# Altium PCB Thermostat_EEM.PCBDOC (part 7 of 10)
Units mm, origin at the board's own origin, x right, y up, seen from the top; angles counter-clockwise.
Board outline 162.48 x 100 mm, 4 copper layers (TOP, G1, L2, BOT), stack 1.55 mm thick; 903 components, 476 nets, 2667 pads, 1400 vias.
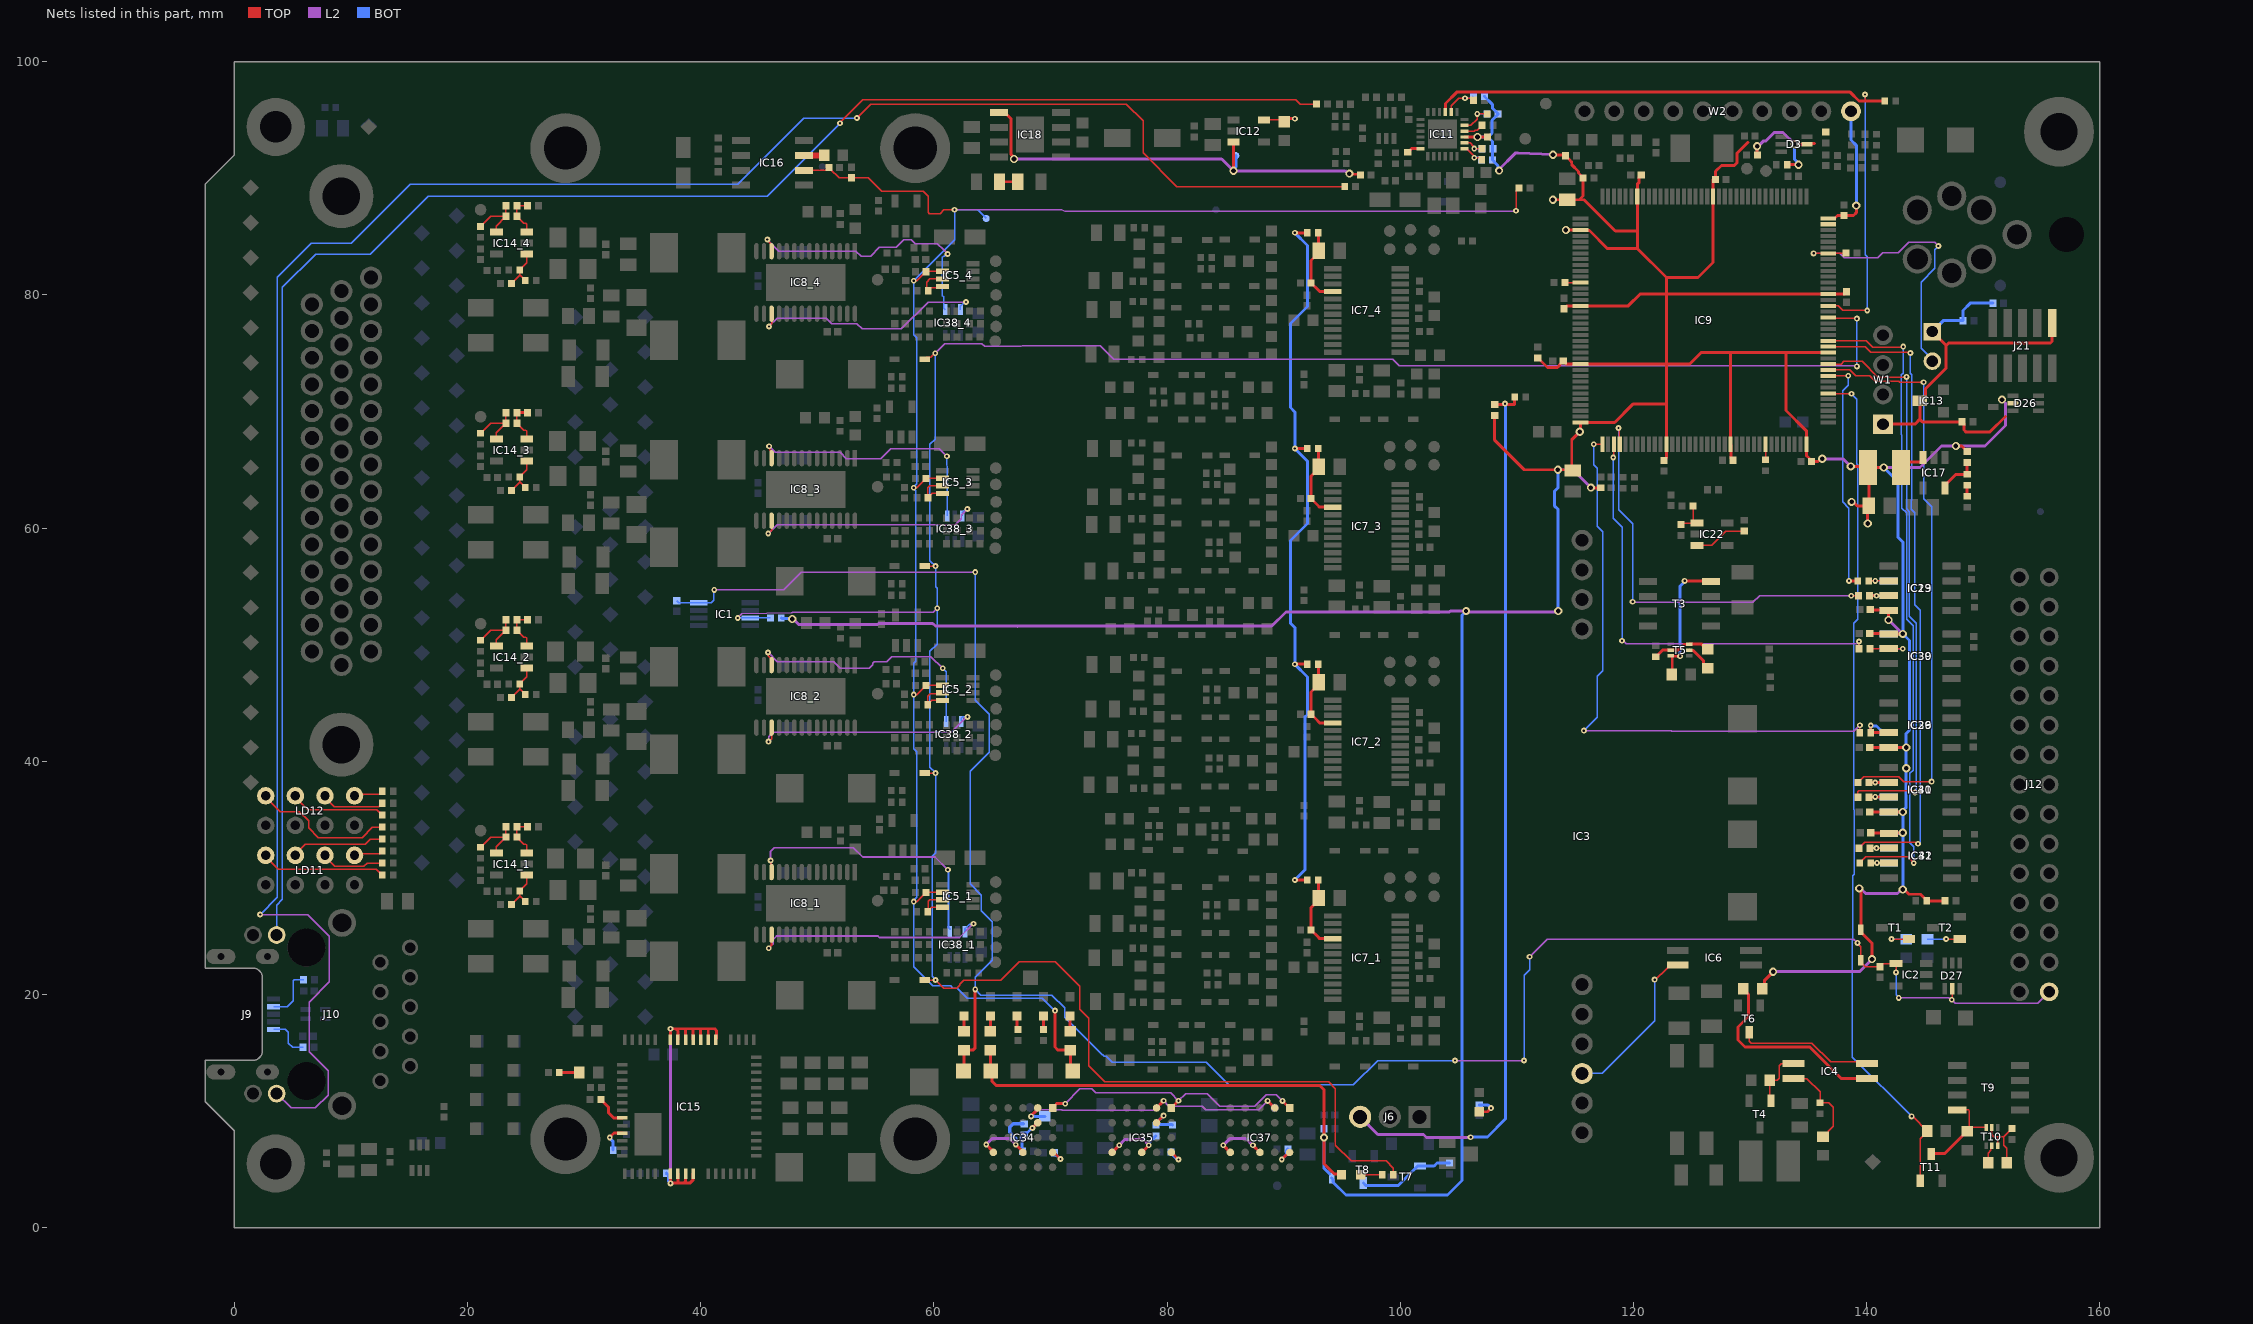
[diagram p9: the nets of this part, all layers, seen from the top]

## Via types
v1: diameter 0.5, hole 0.2, TOP to BOT, tented both sides, 1027 vias
v2: diameter 0.7, hole 0.4, TOP to BOT, tented both sides, 186 vias
v3: diameter 0.6, hole 0.3, TOP to BOT, tented both sides, 97 vias
v4: diameter 0.6, hole 0.3, TOP to BOT, 81 vias
v5: diameter 0.66, hole 0.33, TOP to BOT, tented both sides, 9 vias

## Nets (pads, with @x,y where several pads share a name; then routed paths per layer and width w, separated by ;. In a path a pad name is that pad's centre, name@x,y a point inside that pad or via, vN(x,y) a via of type N, cw(c..) or ccw(c..) an arc to the next point about the centre after c; other vN are vias at no path point) (continued)
NetFB1_2: FB1.2 J9.1 | length 3.7
  BOT w0.127: J9.1@3.376,17.012 3.394,17.03 4.378,17.03 4.646,16.762 4.646,15.841 5.006,15.481 FB1.2@5.899,15.481
NetFB2_2: FB2.2 J9.4 | length 4.5
  BOT w0.127: J9.4@3.376,18.962 4.547,18.962 5.054,19.469 5.054,21.194 5.128,21.268 FB2.2@5.951,21.268
NetIC3_3: IC3.3 IC6.2 | length 14.1
  TOP w0.127: v1(121.817,21.285) 121.831,21.285 121.856,21.26 122.325,21.728 122.369,21.728 123.158,22.517 IC6.2@123.783,22.517
  BOT w0.127: IC3.3@115.6,13.233 117.313,13.233 121.817,17.737 v1(121.817,21.285)
NetIC4_1: IC4.1 R16.1 | length 17.4
  TOP w0.254: R16.1@129.434,20.502 129.434,20.452 129.86,20.025 129.86,18.123 128.966,17.229 128.966,16.11 129.577,15.499 135.121,15.499 137.818,12.802 IC4.1@140.029,12.802
NetIC4_2: IC4.2 T6.3 | length 11.7
  TOP w0.127: T6.3@129.915,16.766 129.915,15.992 130.083,15.824 135.303,15.824 136.904,14.224 139.877,14.224 IC4.2@140.029,14.072
NetIC4_3: IC4.3 R66.2 T4.1 | length 5.1
  TOP w0.127: T4.1@131.815,10.9 131.683,11.033 R66.2@131.683,12.647 132.323,12.647 132.506,12.83 132.506,13.889 132.688,14.072 IC4.3@133.729,14.072
NetIC4_4: IC4.4 R14.1 R35.2 | length 7.9
  TOP w0.127: IC4.4@133.729,12.802 134.845,12.802 136,11.646 R35.2@136,10.72 136.751,10.72 137.133,10.338 137.133,8.705 136.687,8.259 136.687,8.209 136.3,7.822 R14.1@136.25,7.822
NetIC5_1_3: IC5_1.3 IC5_1.4 R142_1.2 | length 3.4
  TOP w0.127: R142_1.2@59.511,27.178 R142_1.2@59.511,27.254 ; IC5_1.4@60.75,27.48 59.831,27.48 59.605,27.254 R142_1.2@59.511,27.254 ; IC5_1.3@60.75,28.13 59.65,28.13 59.511,27.991 R142_1.2@59.511,27.254
NetIC5_2_3: IC5_2.3 IC5_2.4 R142_2.2 | length 3.3
  TOP w0.127: R142_2.2@59.473,44.856 59.473,45.606 59.689,45.822 60.425,45.822 IC5_2.3@60.527,45.923 ; R142_2.2@59.536,44.983 59.58,44.983 59.826,45.23 IC5_2.4@60.75,45.23
NetIC5_3_3: IC5_3.3 IC5_3.4 R142_3.2 | length 3.3
  TOP w0.127: R142_3.2@59.485,62.763 59.485,63.475 59.641,63.63 IC5_3.3@60.75,63.63 ; R142_3.2@59.638,62.713 59.638,62.771 59.847,62.98 IC5_3.4@60.75,62.98
NetIC5_4_3: IC5_4.3 IC5_4.4 R142_4.2 | length 3.6
  TOP w0.127: R142_4.2@59.511,80.315 59.384,80.442 59.384,81.102 59.662,81.38 IC5_4.3@60.75,81.38 ; R142_4.2@59.524,80.366 59.524,80.386 59.75,80.612 60.392,80.612 IC5_4.4@60.578,80.797
NetIC8_1_12: IC8_1.12 IC38_1.4 | length 23.1
  TOP w0.152: v1(46,31.5) 46.041,31.459 46.041,30.546 IC8_1.12@46.082,30.505
  L2 w0.152: v1(46,31.5) 46,32.3 46.3,32.6 53.1,32.6 53.9,31.8 60.1,31.8 v1(61.2,30.7)
  BOT w0.152: v1(61.2,30.7) 61.267,30.633 61.267,25.733 IC38_1.4@61.4,25.6
NetIC8_1_17: IC8_1.17 IC38_1.6 | length 21.2
  TOP w0.152: v1(45.834,23.978) 46.082,24.225 IC8_1.17@46.082,25.145
  L2 w0.152: v1(45.834,23.978) 46.201,24.344 46.201,24.71 46.508,25.017 55.211,25.017 55.328,24.9 62.2,24.9 63.379,26.079 v1(63.397,26.079)
  BOT w0.152: IC38_1.6@62.675,25.386 62.675,25.661 63.027,26.013 63.331,26.013 v1(63.397,26.079)
NetIC8_2_12: IC8_2.12 IC38_2.4 | length 22.4
  TOP w0.127: v1(45.782,49.344) 45.782,49.065 46.082,48.765 IC8_2.12@46.082,48.255
  L2 w0.127: v1(45.782,49.344) 46.576,48.55 51.421,48.55 51.982,47.988 54.449,47.988 54.756,48.295 54.756,48.429 54.877,48.55 55.943,48.55 56.387,48.995 59.744,48.995 60.75,47.988 v1(60.768,47.988)
  BOT w0.127: v1(60.768,47.988) 60.768,47.954 61.053,47.669 IC38_2.4@61.053,43.408
NetIC8_2_17: IC8_2.17 IC38_2.6 | length 20.4
  TOP w0.127: v1(45.825,41.694) 46.082,41.951 IC8_2.17@46.082,42.895
  L2 w0.127: v1(45.825,41.694) 45.835,41.704 45.835,42.134 46.201,42.5 61.497,42.5 62.816,43.82 v1(62.891,43.82)
  BOT w0.127: IC38_2.6@62.353,43.408 62.353,43.683 62.49,43.819 v1(62.891,43.82)
NetIC8_3_12: IC8_3.12 IC38_3.4 | length 22.6
  TOP w0.127: v1(45.871,67.02) 45.942,66.949 45.942,66.723 46.082,66.583 IC8_3.12@46.082,66.005
  L2 w0.127: v1(45.871,67.02) 46.391,66.5 51.96,66.5 52.488,65.973 55.435,65.973 56.296,66.834 60.459,66.834 v1(61.116,66.176)
  BOT w0.127: v1(61.116,66.176) 61.111,66.171 61.111,65.51 61.095,65.493 61.095,65.388 61.15,65.333 IC38_3.4@61.15,61.049
NetIC8_3_17: IC8_3.17 IC38_3.6 | length 20.2
  TOP w0.127: v1(45.799,59.54) 46.082,59.824 IC8_3.17@46.082,60.645
  L2 w0.127: v1(45.799,59.54) 46.558,60.3 61.842,60.3 62.331,60.789 62.331,61.107 62.869,61.645 v1(62.875,61.645)
  BOT w0.127: IC38_3.6@62.45,61.049 62.45,61.324 62.7,61.574 62.804,61.574 v1(62.875,61.645)
NetIC8_4_12: IC8_4.12 IC38_4.4 | length 23.5
  TOP w0.127: v1(45.721,84.753) 45.721,84.689 46.082,84.328 IC8_4.12@46.082,83.755
  L2 w0.127: v1(45.721,84.753) 46.707,83.767 53.318,83.767 53.758,83.326 54.569,83.326 55.328,84.085 56.763,84.085 57.428,84.75 58.054,84.75 58.4,84.404 60.291,84.404 60.828,83.867 v1(61.184,83.511)
  BOT w0.127: IC38_4.4@60.98,78.739 60.844,78.875 60.844,79.833 60.741,79.936 60.741,83.241 60.831,83.331 60.903,83.331 61.083,83.511 v1(61.184,83.511)
NetIC8_4_17: IC8_4.17 IC38_4.6 | length 20.6
  TOP w0.127: v1(45.856,77.3) 45.856,77.321 46.082,77.547 IC8_4.17@46.082,78.395
  L2 w0.127: v1(45.856,77.3) 46.556,78 50.768,78 51.232,77.536 53.401,77.536 53.853,77.084 57.213,77.084 59.523,79.394 v1(62.755,79.394)
  BOT w0.127: IC38_4.6@62.28,78.739 62.28,79.014 62.66,79.394 v1(62.755,79.394)
NetIC9_48: IC9.48 R32.2 | length 1.3
  TOP w0.127: R32.2@114.123,81.069 IC9.48@115.453,81.069
NetIC9_73: IC9.73 R112.1 | length 50.8
  TOP w0.127: v1(116.597,67.192) 116.598,67.194 IC9.73@117.328,67.194 ; R112.1@139.405,42.463 139.419,42.477 v1(139.419,43.098)
  L2 w0.127: v1(115.748,42.636) 123.222,42.636 123.279,42.579 138.9,42.579 v1(139.419,43.098)
  BOT w0.127: v1(115.748,42.636) 116.891,43.779 116.891,47.3 117.357,47.766 117.357,59.712 116.891,60.178 116.891,65.136 116.597,65.43 v1(116.597,67.192)
NetIC9_75: IC9.75 R113.1 | length 38.3
  TOP w0.127: v1(118.261,66.064) 118.328,66.131 IC9.75@118.328,67.194 ; R113.1@139.342,49.667 v1@139.342,50.279
  L2 w0.127: v1(119.023,50.343) 119.119,50.343 119.382,50.079 139.142,50.079 v1(139.343,50.281)
  BOT w0.127: v1(118.261,66.064) 118.261,60.847 119.023,60.085 v1(119.023,50.343) ; v1@139.342,50.279 v1(139.343,50.281)
NetIC9_76: IC9.76 R108.1 | length 36.5
  TOP w0.127: v1(118.718,68.589) 118.773,68.534 118.773,67.248 IC9.76@118.828,67.194 ; v1(138.68,54.211) R108.1@139.308,54.211
  L2 w0.127: v1(119.927,53.686) 119.976,53.637 130.238,53.637 130.812,54.211 v1(138.68,54.211)
  BOT w0.127: v1(118.718,68.589) 118.718,61.595 119.927,60.386 v1(119.927,53.686)
NetIC9_101: IC9.101 R34.1 | length 1.3
  TOP w0.127: R34.1@131.328,65.869 IC9.101@131.328,67.194
NetIC9_114: IC9.114 R197.2 T11.1 | length 72.9
  TOP w0.127: IC9.114@136.703,71.569 136.723,71.548 138.68,71.548 v1(138.7,71.528) ; v1(143.854,9.554) 143.946,9.554 R197.2@145.2,8.3 145.2,8.25 144.587,7.637 T11.1@144.587,4.037
  BOT w0.127: v1(138.7,71.528) 139.163,71.065 139.163,65.536 139.249,65.451 139.249,52.205 138.901,51.858 138.901,35.863 138.926,35.839 138.926,30.303 138.821,30.199 138.821,24.663 138.776,24.617 138.776,14.633 v1(143.854,9.554)
NetIC9_117: IC9.117 R110.1 | length 20.5
  TOP w0.127: IC9.117@136.703,73.069 138.416,73.069 v1(138.422,73.075)
  TOP w0.254: v1(138.485,55.481) R110.1@139.24,55.48
  BOT w0.127: v1(138.422,73.075) 138.422,72.241 137.953,71.772 137.953,62.246 138.485,61.714 v1(138.485,55.481)
NetIC9_118: IC9.118 R117.1 | length 50
  TOP w0.127: IC9.118@136.703,73.569 138.552,73.569 139.045,73.075 140.258,73.075 140.733,72.6 142.74,72.6 142.823,72.517 v1(144.885,72.517) ; R117.1@139.251,38.216 139.731,38.697 142.754,38.697 143.186,38.265 v1(145.574,38.265)
  TOP w0.254: R117.1@139.148,38.23 139.182,38.265 R117.1@139.251,38.196
  BOT w0.127: v1(144.885,72.517) 144.885,62.528 145.574,61.838 v1(145.574,38.265)
NetIC9_119: IC9.119 R115.1 | length 48.9
  TOP w0.127: IC9.119@136.703,74.069 137.8,74.069 138.053,74.321 139.606,74.321 140.968,72.959 143.41,72.959 v1(143.425,72.974) ; R115.1@139.251,36.926 139.251,37.395 139.325,37.469 143.923,37.469 144.053,37.339 v1(144.154,37.339)
  BOT w0.127: v1(143.425,72.974) 143.425,61.664 143.674,61.415 143.674,52.43 144.246,51.858 144.246,37.617 144.226,37.597 144.226,37.41 v1(144.154,37.339)
NetIC9_122: IC9.122 R118.1 | length 55.2
  TOP w0.127: IC9.122@136.703,75.569 139.864,75.569 140.364,75.069 143.702,75.069 v1(143.75,75.021) ; R118.1@139.35,32.56 139.35,32.58 139.831,33.061 144.185,33.061 144.307,32.938 v1(144.408,32.938)
  BOT w0.127: v1(143.75,75.021) 143.75,73.272 143.865,73.157 143.865,62.457 143.821,62.413 143.821,61.627 144.116,61.333 144.116,53.434 144.595,52.955 144.595,33.059 144.474,32.938 v1(144.408,32.938)
NetIC9_123: IC9.123 R123.1 | length 56.8
  TOP w0.127: IC9.123@136.703,76.069 139.968,76.069 140.537,75.499 143.033,75.499 143.102,75.569 v1(143.135,75.569) ; R123.1@139.405,31.29 139.405,31.31 139.915,31.82 143.512,31.82 v1(144.042,31.29)
  BOT w0.127: v1(143.135,75.569) 143.135,73.307 142.984,73.157 142.984,68.025 143.012,67.997 143.012,61.718 143.42,61.31 143.42,52.193 143.992,51.621 143.992,39.243 143.714,38.964 143.714,33.01 144.042,32.682 v1(144.042,31.29)
NetIC9_138: IC9.138 JP2.2 R63.1 | length 25.2
  TOP w0.127: v1(135.451,83.569) IC9.138@136.703,83.569 138.199,83.569 R63.1@138.23,83.6
  L2 w0.127: v1(135.451,83.569) 137.709,83.569 138.09,83.188 140.96,83.188 141.4,83.628 142.72,83.628 143.617,84.525 145.826,84.525 v1(146.15,84.201)
  BOT w0.127: JP2.2@145.631,74.321 145.631,74.48 144.691,75.421 144.691,81.109 145.857,82.275 145.857,83.872 146.15,84.165 v1(146.15,84.201)
NetIC11_7: IC11.7 R21.2 R24.2 | length 2.7
  TOP w0.127: IC11.7@105.52,92.55 105.725,92.55 106.273,92.001 106.273,91.946 106.373,91.847 106.428,91.847 106.501,91.774 106.826,91.774 R24.2@107,91.6
  BOT w0.127: v1(106.345,91.774) 106.392,91.822 106.748,91.822 106.975,91.595 R21.2@106.975,91.575
NetIC11_8: IC11.8 R20.2 R23.2 | length 2.3
  TOP w0.127: IC11.8@105.52,93.05 106.005,93.05 106.278,92.777 106.278,92.722 106.373,92.628 v1@106.427,92.628 ; v1@106.505,92.55 R23.2@107.006,92.55
  BOT w0.127: v1(106.35,92.55) R20.2@107.006,92.55
NetIC11_10: IC11.10 R25.1 | length 1.7
  TOP w0.127: IC11.10@105.52,94.05 106.363,94.05 106.437,94.124 106.6,94.124 107.006,94.53 R25.1@107.006,94.55
NetIC11_11: IC11.11 R22.2 R27.2 | length 3.5
  TOP w0.127: IC11.11@105.52,94.55 106.055,94.55 106.594,95.089 106.594,95.489 v1@106.627,95.522 ; v1(106.602,95.529) 107.462,95.529 R27.2@107.47,95.522
  BOT w0.127: v1(106.602,95.529) 107.437,95.529 R22.2@107.445,95.522
NetIC11_14: IC11.14 R29.2 R99.2 | length 3.6
  TOP w0.127: IC11.14@104.37,95.7 104.37,96.235 105.014,96.88 106.093,96.88 R29.2@106.278,96.695
  BOT w0.127: v1(105.555,96.88) 106.113,96.88 R99.2@106.278,97.045
NetIC11_24: IC11.24 R26.1 | length 1.2
  TOP w0.254: R26.1@100.645,92.245 100.665,92.245 100.97,92.55 IC11.24@101.72,92.55
NetIC14_1_1: IC14_1.1 R78_1.2 R79_1.2 R80_1.2 | length 4
  TOP w0.127: R79_1.2@23.774,27.735 23.774,27.755 24,27.981 24.02,27.981 24.48,28.442 ; R78_1.2@24.954,27.981 24.954,28.001 24.513,28.442 24.48,28.442 ; IC14_1.1@25.335,30.245 IC14_1.1@25.085,30.245 25.085,29.507 24.48,28.902 R80_1.2@24.48,28.882 24.48,28.442
NetIC14_1_3: IC14_1.3 R72_1.1 R74_1.1 R76_1.2 | length 3.6
  TOP w0.127: IC14_1.3@25.085,32.145 25.085,32.838 25.011,32.912 24.815,32.912 24.47,33.257 24.244,33.484 R74_1.1@24.244,33.504 24.242,33.505 R72_1.1@24.242,34.404 R76_1.2@25.158,34.404
NetIC14_1_4: IC14_1.4 R72_1.2 R74_1.2 R77_1.1 | length 5.2
  TOP w0.127: R77_1.1@21.11,32.635 21.13,32.635 21.999,33.504 R74_1.2@23.304,33.504 ; IC14_1.4@22.485,32.145 22.485,32.665 23.304,33.484 R74_1.2@23.304,33.504 ; R72_1.2@23.302,34.404 23.302,33.505 R74_1.2@23.304,33.504
NetIC14_2_1: IC14_2.1 R78_2.2 R79_2.2 R80_2.2 | length 4
  TOP w0.127: R79_2.2@23.774,45.485 23.774,45.505 24,45.731 24.02,45.731 24.48,46.192 ; R78_2.2@24.954,45.731 24.954,45.751 24.513,46.192 24.48,46.192 ; IC14_2.1@25.335,47.995 IC14_2.1@25.085,47.995 25.085,47.257 24.48,46.652 R80_2.2@24.48,46.632 24.48,46.192
NetIC14_2_3: IC14_2.3 R72_2.1 R74_2.1 R76_2.2 | length 3.5
  TOP w0.127: R72_2.1@24.242,52.154 24.242,51.255 R74_2.1@24.244,51.254 24.244,51.234 24.47,51.007 24.815,50.662 25.011,50.662 25.085,50.588 IC14_2.3@25.085,49.895 ; R72_2.1@24.383,52.07 24.466,52.154 R76_2.2@25.158,52.154
NetIC14_2_4: IC14_2.4 R72_2.2 R74_2.2 R77_2.1 | length 5.2
  TOP w0.127: R77_2.1@21.11,50.385 21.13,50.385 21.999,51.254 R74_2.2@23.304,51.254 ; IC14_2.4@22.485,49.895 22.485,50.415 23.304,51.234 R74_2.2@23.304,51.254 ; R72_2.2@23.302,52.154 23.302,51.255 R74_2.2@23.304,51.254
NetIC14_3_1: IC14_3.1 R78_3.2 R79_3.2 R80_3.2 | length 4
  TOP w0.127: R79_3.2@23.774,63.235 23.774,63.255 24,63.481 24.02,63.481 24.48,63.942 ; R78_3.2@24.954,63.481 24.954,63.501 24.513,63.942 24.48,63.942 ; IC14_3.1@25.335,65.745 IC14_3.1@25.085,65.745 25.085,65.007 24.48,64.402 R80_3.2@24.48,64.382 24.48,63.942
NetIC14_3_3: IC14_3.3 R72_3.1 R74_3.1 R76_3.2 | length 3.5
  TOP w0.127: R72_3.1@24.242,69.901 24.242,69.005 R74_3.1@24.244,69.004 24.244,68.984 24.47,68.757 24.815,68.412 25.011,68.412 25.085,68.338 IC14_3.3@25.085,67.645
  TOP w0.254: R72_3.1@24.357,69.901 24.36,69.904 R76_3.2@25.158,69.904
NetIC14_3_4: IC14_3.4 R72_3.2 R74_3.2 R77_3.1 | length 5.2
  TOP w0.127: R77_3.1@21.11,68.135 21.13,68.135 21.999,69.004 R74_3.2@23.304,69.004 ; IC14_3.4@22.485,67.645 22.485,68.165 23.304,68.984 R74_3.2@23.304,69.004 ; R72_3.2@23.302,69.904 23.302,69.005 R74_3.2@23.304,69.004
NetIC14_4_1: IC14_4.1 R78_4.2 R79_4.2 R80_4.2 | length 4
  TOP w0.127: R79_4.2@23.774,80.985 23.774,81.005 24,81.231 24.02,81.231 24.48,81.692 ; R78_4.2@24.954,81.231 24.954,81.251 24.513,81.692 24.48,81.692 ; IC14_4.1@25.335,83.495 IC14_4.1@25.085,83.495 25.085,82.757 24.48,82.152 R80_4.2@24.48,82.132 24.48,81.692
NetIC14_4_3: IC14_4.3 R72_4.1 R74_4.1 R76_4.2 | length 3.6
  TOP w0.127: IC14_4.3@25.085,85.395 25.085,86.088 25.011,86.162 24.815,86.162 24.47,86.507 24.244,86.734 R74_4.1@24.244,86.754 24.242,86.755 R72_4.1@24.242,87.654 R76_4.2@25.158,87.654
NetIC14_4_4: IC14_4.4 R72_4.2 R74_4.2 R77_4.1 | length 5.2
  TOP w0.127: R77_4.1@21.11,85.885 21.13,85.885 21.999,86.754 R74_4.2@23.304,86.754 ; IC14_4.4@22.485,85.395 22.485,85.915 23.304,86.734 R74_4.2@23.304,86.754 ; R72_4.2@23.302,87.654 23.302,86.755 R74_4.2@23.304,86.754
NetIC15_7: IC15.7 IC15.8 IC15.9 IC15.10 IC15.38 IC15.39 IC15.40 IC15.41 IC15.42 IC15.43 IC15.44 R95.2 | length 29.7
  TOP w0.254: IC15.44@37.401,16.145 37.407,16.151 37.407,17.114 v1@37.413,17.12 ; v1(37.413,3.81) 37.407,3.816 37.407,4.49 IC15.7@37.413,4.496 ; v1(37.413,17.069) 37.87,17.069 ; v1@37.464,3.81 37.511,3.857 37.95,3.857 38.051,3.959 IC15.8@38.051,4.645 ; 37.845,3.835 38.553,3.835 38.578,3.861 ; IC15.43@38.051,16.145 38.051,16.887 37.87,17.069 ; 38.48,3.861 38.578,3.861 ; 38.657,17.043 38.701,16.999 IC15.42@38.701,16.145 ; IC15.9@38.701,4.645 38.701,3.984 38.578,3.861 ; IC15.10@39.351,4.645 39.328,4.622 39.328,4.075 39.115,3.861 38.578,3.861 ; IC15.41@39.351,16.145 39.351,17.026 39.394,17.069 ; 39.978,17.043 40.001,17.02 IC15.40@40.001,16.145 ; 40.639,17.018 40.651,17.005 IC15.39@40.651,16.145 ; IC15.38@41.35,16.256 41.35,16.92 41.201,17.069 39.394,17.069 ; 37.87,17.069 39.394,17.069
  L2 w0.254: v1(37.413,3.81) v1(37.413,17.069)
  BOT w0.254: R95.2@37.058,4.68 37.221,4.517 37.221,4.002 v1(37.413,3.81)
NetIC15_59: IC15.59 R138.2 | length 2.6
  TOP w0.254: R138.2@31.596,10.897 31.596,10.841 32.08,10.357 32.08,9.879 32.539,9.42 IC15.59@33.276,9.42
NetIC15_61: IC15.61 R128.2 | length 2.4
  TOP w0.254: v1(32.206,7.747) 32.579,8.12 IC15.61@33.276,8.12
  BOT w0.254: v1@32.282,7.722 32.253,7.692 32.253,7.633 32.498,7.388 R128.2@32.498,6.655
NetIC16_7: IC16.7 R96.1 | length 1.7
  TOP w0.508: IC16.7@48.861,91.963 48.873,91.975 R96.1@50.6,91.975
NetIC17_3: IC17.3 L8.1 | length 2.8
  TOP w0.254: L8.1@142.921,64.714 142.921,65.043 143.569,65.691 144.598,65.691 144.771,65.864 IC17.3@144.771,66.114
NetIC17_5: IC17.5 R102.1 R103.2 | length 3.5
  TOP w0.254: IC17.5@146.737,63.454 146.737,63.704 147.654,64.621 R103.2@148.625,64.621 R102.1@148.625,65.629
NetIC19_6: IC19.6 IC23.3 R110.2 | length 2.7
  TOP w0.127: R110.2@140.18,55.48 v1(140.735,55.48) ; v1@140.844,55.481 IC19.6@141.894,55.481
  BOT w0.127: v1@140.844,55.481 IC23.3@141.894,55.481
NetIC19_7: IC19.7 IC23.2 R108.2 | length 2.7
  TOP w0.254: R108.2@140.248,54.211 v1(140.844,54.211) IC19.7@141.894,54.211
  BOT w0.254: v1(140.844,54.211) IC23.2@141.894,54.211
NetIC22_1: IC22.1 R141.1 R154.2 | length 2.6
  TOP w0.127: R154.2@124.078,60.318 124.19,60.431 125.168,60.431 125.107,60.492 R141.1@125.107,61.912
NetIC22_3: IC22.3 R131.1 | length 4.6
  TOP w0.127: IC22.3@125.45,58.531 126.715,58.531 127.935,59.751 R131.1@129.5,59.751
NetIC29_7: IC29.7 IC36.2 R112.2 | length 4
  TOP w0.254: v1(140.345,43.085) R112.2@140.345,42.463 IC29.7@141.894,42.463
  BOT w0.254: v1(140.345,43.085) 140.392,43.038 140.844,43.038 141.419,42.463 IC36.2@141.894,42.463
NetIC30_2: IC30.2 IC39.7 R113.2 | length 4
  TOP w0.127: R113.2@140.282,49.667 IC30.2@141.894,49.667 ; IC30.2@141.894,49.667 v1(143.102,49.666)
  BOT w0.127: IC39.7@141.894,49.666 v1(143.102,49.666)
NetIC31_6: IC31.6 IC40.3 R117.2 | length 2.8
  TOP w0.254: R117.2@140.29,38.196 v1(140.735,38.196) IC31.6@141.894,38.196
  BOT w0.254: v1(140.735,38.196) IC40.3@141.894,38.196
NetIC31_7: IC31.7 IC40.2 R115.2 | length 2.8
  TOP w0.254: R115.2@140.227,36.926 v1@140.74,36.926 ; v1@140.771,36.926 IC31.7@141.894,36.926
  BOT w0.254: v1(140.74,36.957) 140.771,36.926 IC40.2@141.894,36.926
NetIC32_2: IC32.2 IC41.7 R118.2 | length 2.7
  TOP w0.127: R118.2@140.29,32.56 v1@140.842,32.56 ; v1@140.87,32.56 IC32.2@141.925,32.56
  BOT w0.127: v1(140.842,32.563) 140.844,32.56 IC41.7@141.925,32.56
NetIC32_3: IC32.3 IC41.6 R123.2 | length 2.6
  TOP w0.127: R123.2@140.345,31.29 IC32.3@141.925,31.29
  BOT w0.127: v1(140.892,31.293) 140.895,31.29 IC41.6@141.925,31.29
NetIC34_A1: IC34.A1 IC35.A1 IC37.A1 | length 24
  TOP w0.254: IC34.A1@70.182,10.339 70.246,10.339 70.38,10.474 70.38,10.493 70.528,10.641 v1(71.262,10.641) ; IC35.A1@80.37,10.28 v1@80.9,10.812 ; v1@80.9,10.809 v1@80.9,10.812 ; v1@80.9,10.962 v1@80.9,10.812 ; v1(80.978,10.89) v1@80.9,10.812 ; v1(89.897,10.883) IC37.A1@90.508,10.276
  L2 w0.127: v1(71.262,10.641) 72.533,11.912 73.544,11.912 73.889,11.567 80.301,11.567 v1(80.978,10.89) 81.595,11.507 83.458,11.507 84.523,10.442 87.54,10.442 88.51,11.412 89.368,11.412 v1(89.897,10.883)
NetIC34_A4: IC34.A4 R219.2 | length 1.9
  TOP w0.254: IC34.A4@70.246,6.504 v1@70.778,5.975 ; v1@70.775,5.975 v1@70.778,5.975 ; v1(70.856,5.897) v1@70.778,5.975 ; v1@70.928,5.975 v1@70.778,5.975
  BOT w0.254: R219.2@70.225,6.436 70.225,6.416 70.388,6.253 70.5,6.253 v1(70.856,5.897)
NetIC34_B1: IC34.B1 IC35.B1 IC37.B1 R222.2 | length 25.6
  TOP w0.254: v1(68.342,9.555) 68.342,9.599 68.908,10.165 IC34.B1@68.908,10.375 ; IC35.B1@79.1,10.28 v1@79.63,10.812 ; v1@79.63,10.809 v1@79.63,10.812 ; v1@79.63,10.962 v1@79.63,10.812 ; v1(79.708,10.89) v1@79.63,10.812 ; v1(88.627,10.883) IC37.B1@89.238,10.276
  L2 w0.127: v1(68.342,9.555) 68.342,9.561 68.901,10.12 70.971,10.12 71.006,10.086 78.903,10.086 v1(79.708,10.89) 80.155,10.442 83.015,10.442 83.33,10.127 87.872,10.127 v1(88.627,10.883)
  BOT w0.254: v1(68.342,9.555) R222.2@69.519,9.555
NetIC34_B2: IC34.B2 R227.1 R228.2 | length 3.1
  TOP w0.254: v1@68.478,8.614 68.499,8.614 68.88,8.994 IC34.B2@68.88,9.015
  BOT w0.254: R228.2@67.561,6.537 67.561,7.649 67.567,7.655 67.567,7.798 67.73,7.961 R227.1@67.75,7.961 ; R227.1@67.735,8.046 67.813,8.124 67.989,8.124 v1@68.478,8.614
  other v1: 68.453,8.564
NetIC34_C4: IC34.C4 IC34.E4 R227.2 | length 7.7
  TOP w0.254: v1(64.491,7.137) IC34.E4@65.102,6.529 ; v1(67.031,7.137) IC34.C4@67.642,6.529
  L2 w0.254: v1(64.491,7.137) 64.995,7.641 66.527,7.641 v1(67.031,7.137)
  BOT w0.3: v1(67.031,7.137) 67.031,7.661 66.504,8.188 66.504,8.625 66.813,8.934 67.618,8.934 R227.2@67.65,8.901
NetIC35_A4: IC35.A4 R221.2 | length 1.6
  TOP w0.254: IC35.A4@80.37,6.47 v1@80.903,5.94
  BOT w0.254: R221.2@80.346,6.375 80.346,6.355 80.509,6.192 80.529,6.192 80.812,5.91 80.934,5.91 v1(80.981,5.862)
NetIC35_B2: IC35.B2 R229.1 R230.2 | length 3.2
  TOP w0.254: IC35.B2@79.1,9.01 v1@79.63,9.542
  BOT w0.254: R229.1@79.047,8.801 R229.1@79.1,8.854 ; v1(79.708,9.62) 79.708,9.617 79.1,9.009 R229.1@79.1,8.854 ; R230.2@80.465,8.82 80.437,8.848 79.922,8.848 79.916,8.854 R229.1@79.1,8.854
NetIC35_C4: IC35.C4 IC35.E4 R229.2 | length 6.1
  TOP w0.254: IC35.E4@75.29,6.47 v1@75.82,7.002 ; v1@75.82,6.999 v1@75.82,7.002 ; v1@75.82,7.152 v1@75.82,7.002 ; v1(75.898,7.08) v1@75.82,7.002 ; IC35.C4@77.83,6.47 v1@78.36,7.002 ; v1@78.36,6.999 v1@78.36,7.002 ; v1@78.36,7.152 v1@78.36,7.002 ; v1(78.438,7.08) v1@78.36,7.002
  L2 w0.254: v1(75.898,7.08) 76.402,7.584 77.982,7.584 78.438,7.129 v1(78.438,7.08)
  BOT w0.254: v1(78.438,7.08) 78.485,7.127 78.485,7.319 79.027,7.861 R229.2@79.047,7.861
NetIC37_A4: IC37.A4 R231.2 | length 2
  TOP w0.254: v1(89.837,5.855) IC37.A4@90.444,6.466
  BOT w0.254: v1(89.837,5.855) 90.245,6.263 90.245,6.642 R231.2@90.371,6.768
NetIC37_C4: IC37.C4 IC37.E4 | length 4.7
  TOP w0.254: v1(84.817,7.073) IC37.E4@85.428,6.466 ; v1(87.357,7.073) IC37.C4@87.968,6.466
  L2 w0.254: v1(84.817,7.073) 85.385,7.641 86.79,7.641 v1(87.357,7.073)
NetJ6_3: J6.3 R9.2 R101.2 | length 77.6
  TOP w0.254: R101.2@108.098,70.601 108.109,70.612 108.922,70.612 v1(108.99,70.68) ; v1@108.99,70.624 109.815,70.624 R9.2@109.815,71.247
  L2 w0.254: J6.3@96.563,9.517 98.079,8 101.994,8 102.242,7.753 106.017,7.753 v1(106.033,7.769)
  BOT w0.254: v1(106.033,7.769) 106.061,7.797 107.474,7.797 109.029,9.351 109.029,70.641 v1(108.99,70.68)
NetJ10_L1: J10.L1 R17.2 | length 151.3
  TOP w0.127: v1(51.951,94.735) 51.951,94.814 53.9,96.763 91.039,96.763 91.428,96.374 R17.2@92.824,96.374
  BOT w0.127: J10.L1@3.639,25.11 3.639,27.677 4.122,28.16 4.122,80.647 6.975,83.5 11.675,83.5 16.652,88.477 45.694,88.477 v1(51.951,94.735)
NetJ10_L3: J10.L3 R11.2 | length 184.6
  TOP w0.127: v1(53.398,95.175) 54.577,96.354 76.519,96.354 77.938,94.935 77.938,92.209 80.847,89.3 R11.2@95.23,89.3
  L2 w0.127: v1(2.218,26.863) 6.313,26.863 8.153,25.024 8.153,21.08 6.422,19.348 6.422,15.092 8.041,13.473 8.041,11.369 6.949,10.278 4.871,10.278 J10.L3@3.639,11.51
  BOT w0.127: v1(2.218,26.863) 3.706,28.351 3.706,81.531 6.62,84.445 10.045,84.445 15.1,89.5 43.166,89.5 48.842,95.175 v1(53.398,95.175)
NetLD1_1: LD1.1 R6.1 | length 1.8
  TOP w0.127: LD1.1@96.618,4.553 R6.1@98.456,4.553
NetLD2_2: LD2.2 R90.1 | length 2.3
  TOP w0.254: LD2.2@106.772,9.953 107.474,9.953 107.785,10.264 v1(107.783,10.264)
  BOT w0.254: R90.1@106.775,10.545 107.502,10.545 v1(107.783,10.264)
NetLD3_2: LD3.2 R94.2 | length 1.3
  TOP w0.254: R94.2@64.85,16.836 64.857,16.844 LD3.2@64.857,18.159
NetLD4_2: LD4.2 R100.2 | length 1.2
  TOP w0.254: LD4.2@69.399,18.159 69.399,17 R100.2@69.402,16.996
NetLD6_2: LD6.2 R10.2 | length 1.3
  TOP w0.254: R10.2@62.579,16.836 62.587,16.844 LD6.2@62.587,18.159
NetLD9_2: LD9.2 R39.2 | length 1.2
  TOP w0.254: LD9.2@67.128,18.159 67.128,17.077 R39.2@67.209,16.996
NetLD10_2: LD10.2 R54.2 | length 1.3
  TOP w0.254: LD10.2@71.67,18.159 71.67,16.878 R54.2@71.711,16.836
NetLD11_2: LD11.2 R143.2 | length 10.8
  TOP w0.127: LD11.2@2.599,31.946 3.794,30.752 12.199,30.752 12.448,30.502 12.468,30.502 12.695,30.276 R143.2@12.695,30.256
NetLD11_4: LD11.4 R144.2 | length 8.1
  TOP w0.127: LD11.4@5.139,31.946 6.08,32.887 11.23,32.887 11.68,33.337 R144.2@12.695,33.337
NetLD11_6: LD11.6 R145.2 | length 5.5
  TOP w0.127: LD11.6@7.679,31.946 8.62,31.006 11.127,31.006 11.404,31.283 R145.2@12.695,31.283
NetLD11_8: LD11.8 R146.2 | length 2.6
  TOP w0.127: LD11.8@10.219,31.946 10.336,32.063 12.468,32.063 R146.2@12.695,32.29
NetLD12_2: LD12.2 R147.2 | length 12.3
  TOP w0.127: LD12.2@2.56,37.052 3.931,35.68 5.59,35.68 6.37,34.9 6.37,34.297 7.203,33.464 10.957,33.464 11.856,34.364 R147.2@12.695,34.364
NetLD12_4: LD12.4 R148.2 | length 8.3
  TOP w0.127: LD12.4@5.1,37.052 6.295,35.857 12.228,35.857 12.448,35.637 12.468,35.637 12.695,35.411 R148.2@12.695,35.391
NetLD12_6: LD12.6 R149.2 | length 5.6
  TOP w0.127: LD12.6@7.64,37.052 8.581,36.111 12.408,36.111 12.695,36.398 R149.2@12.695,36.418
NetLD12_8: LD12.8 R150.2 | length 3
  TOP w0.127: LD12.8@10.18,37.052 10.327,37.198 12,37.198 ; 12,37.2 12.468,37.2 R150.2@12.695,37.426 ; R150.2@12.468,37.198 12.695,37.425 R150.2@12.695,37.426 ; R150.2@12.695,37.445 R150.2@12.695,37.426
NetR1_1: R1.1 T1.1 | length 2.7
  TOP w0.127: v1(142.137,24.765) T1.1@143.625,24.765
  BOT w0.127: v1(142.137,24.765) R1.1@143.394,24.765
NetR2_1: R2.1 T2.1 | length 2.8
  TOP w0.127: v1(146.819,24.765) T2.1@147.987,24.765
  BOT w0.127: R2.1@145.218,24.765 v1(146.819,24.765)
NetR13_1: R13.1 T7.1 T8.3 | length 8.3
  BOT w0.254: T8.3@96.838,3.835 96.838,3.83 97.036,3.632 99.828,3.632 100.661,4.464 100.661,4.473 101.494,5.307 T7.1@101.694,5.307 102.908,5.307 103.16,5.559 R13.1@104.215,5.559
NetR65_1: R65.1 T5.2 | length 2.4
  TOP w0.254: T5.2@124.79,49.55 124.813,49.527 125.108,49.527 125.992,48.642 125.992,48.323 126.315,48 R65.1@126.365,48
NetR65_2: R65.2 R85.2 T5.3 T5.5 | length 5.1
  TOP w0.254: R85.2@121.915,48.978 121.935,48.978 122.507,49.55 T5.5@123.21,49.55 123.876,49.55 124.353,50.027 124.767,50.027 T5.3@124.79,50.05 125.866,50.05 126.315,49.6 R65.2@126.365,49.6
NetR68_2: R68.2 T3.4 T5.6 | length 11.1
  TOP w0.254: T5.6@123.21,49.05 T5.6@123.305,49.05 ; R68.2@123.328,47.733 123.328,49.027 T5.6@123.305,49.05 ; v1(124,49.014) 123.964,49.014 123.928,49.05 T5.6@123.305,49.05 ; v1(124.387,55.48) 124.412,55.456 126.641,55.456 T3.4@126.665,55.431
  BOT w0.254: v1(124,49.014) 124,55.027 124.387,55.414 v1(124.387,55.48)
NetR88_2: R88.2 R105.1 | length 1.6
  TOP w0.254: R88.2@65.642,89.713 R105.1@67.198,89.713
NetR89_1: R89.1 R139.2 | length 1.7
  TOP w0.254: R139.2@27.88,13.32 R89.1@29.598,13.32
NetR103_1: R103.1 R104.2 | length 0.9
  TOP w0.254: R104.2@148.625,62.751 R103.1@148.625,63.681
NetR194_1: R194.1 T10.2 | length 1.6
  TOP w0.127: R194.1@150.42,5.587 150.42,6.389 150.662,6.632 150.662,6.936 T10.2@150.749,7.022
NetR194_2: R194.2 R196.2 T10.3 T10.5 | length 5.9
  TOP w0.127: T10.5@150.749,8.602 150.749,7.964 150.891,7.822 151.325,7.822 ; T10.3@151.249,7.022 151.249,7.746 151.325,7.822 ; R194.2@152.02,5.587 152.02,6.838 151.76,7.098 151.76,7.822 ; R196.2@152.47,8.512 152.45,8.512 151.76,7.822 ; 151.325,7.822 151.76,7.822
NetR195_2: R195.2 T9.4 T10.6 T11.3 | length 8.4
  TOP w0.127: T9.4@147.77,10.107 148.736,10.107 148.81,10.033 148.81,8.432 148.98,8.602 T10.6@150.249,8.602
  TOP w0.254: T11.3@145.537,5.937 T11.3@145.735,6.135 ; T11.3@145.537,6.337 145.586,6.387 146.714,6.387 148.59,8.262 R195.2@148.64,8.262
NRST: IC9.129 IC11.15 R125.2 | length 61.8
  TOP w0.127: IC9.129@136.703,79.069 137.568,79.069 137.961,78.676 v1(140.051,78.676) ; 139.864,96.631 v1(139.864,97.192)
  TOP w0.254: IC11.15@103.87,95.7 103.87,96.426 104.836,97.392 138.584,97.392 139.345,96.631 139.864,96.631 R125.2@141.559,96.631
  BOT w0.127: v1(139.864,97.192) 139.864,83.446 140.051,83.259 v1(140.051,78.676)
OVERTHERMn: D1_1.1 D1_2.1 D1_3.1 D1_4.1 IC1.3 IC9.127 R5.2 R6.2 | length 220.4
  TOP w0.127: D1_2.1@59.225,38.994 v1(60.144,38.994) ; D1_3.1@59.225,56.744 v1(60.144,56.744) ; D1_4.1@59.225,74.494 59.412,74.68 59.744,74.68 60.07,75.006 v1(60.12,75.006) ; D1_1.1@59.425,21.244 v1(60.144,21.244) 60.828,20.56 61.982,20.56 62.241,20.818 62.241,20.877 62.573,21.209 65.725,21.209 67.325,22.809 70.422,22.809 72.525,20.706 72.525,18.732 73.302,17.955 73.302,13.879 74.658,12.523 93.862,12.523 94.447,11.939 94.447,7.069 95.787,5.728 98.783,5.728 99.396,5.115 R6.2@99.396,4.553 ; IC9.127@136.703,78.069 136.75,78.022 139.113,78.022 v1(139.16,77.975)
  L2 w0.127: v1(43.175,52.3) 43.518,52.643 43.555,52.68 47.79,52.746 47.842,52.747 47.875,52.781 59.929,52.781 v1(60.288,53.14) ; v1(60.12,75.006) 60.938,75.824 64.107,75.824 64.344,75.587 67.513,75.587 67.565,75.639 74.276,75.639 75.421,74.494 99.343,74.494 99.902,73.935 139.105,73.935 v1(139.16,73.88)
  BOT w0.127: v1(43.175,52.3) IC1.3@44.25,52.3 R5.2@45.98,52.3 ; v1(60.12,75.006) 60.12,67.641 59.669,67.189 59.669,57.219 v1(60.144,56.744) 60.144,54.978 60.288,54.834 60.288,50.058 59.669,49.439 59.669,39.497 60.144,39.023 v1(60.144,38.994) 60.144,32.164 59.847,31.867 59.847,21.57 60.144,21.273 v1(60.144,21.244) ; v1(139.16,73.88) v1(139.16,77.975)
P3V0REF: C26_1.1 C26_2.1 C26_3.1 C26_4.1 C27.1 C38.1 IC5_1.2 IC5_2.2 IC5_3.2 IC5_4.2 IC16.6 R54.1 R70.2 TP10.1 TP13.1 | length 166.8
  TOP w0.127: IC16.6@48.861,90.693 50.768,90.693 C27.1@51,90.925 ; C27.1@51.027,90.805 51.12,90.805 51.875,90.05 C38.1@52.932,90.05 54.382,90.05 55.55,88.883 59.092,88.883 59.511,88.464 59.511,87.084 59.62,86.975 60.532,86.975 60.862,87.305 v1(61.772,87.305) ; v1(58.275,27.975) 58.55,27.975 C26_1.1@59.325,28.75 ; v1(58.275,45.725) 58.55,45.725 C26_2.1@59.325,46.5 ; v1(58.275,63.475) 58.55,63.475 C26_3.1@59.325,64.25 ; v1(58.275,81.225) 58.55,81.225 C26_4.1@59.325,82 ; C26_1.1@59.395,28.78 IC5_1.2@60.75,28.78 ; C26_2.1@59.395,46.53 IC5_2.2@60.75,46.53 ; C26_3.1@59.395,64.28 IC5_3.2@60.75,64.28 ; C26_4.1@59.395,82.03 IC5_4.2@60.75,82.03 ; v1(109.93,87.224) 109.93,88.924 R70.2@110.181,89.175
  TOP w0.254: v1(70.388,18.624) 70.388,15.504 70.656,15.236 R54.1@71.711,15.236 71.711,13.646 TP10.1@71.911,13.446
  L2 w0.127: v1(61.772,87.305) 70.935,87.303 70.958,87.294 71.247,87.179 109.885,87.179 v1(109.93,87.224)
  BOT w0.127: TP13.1@64.491,86.563 63.748,87.305 v1(61.772,87.305) 61.772,84.722 v1(58.275,81.225) 58.275,76.6 58.541,76.335 58.541,63.832 58.275,63.567 58.275,63.374 58.459,63.19 58.459,48.607 58.275,48.423 58.275,41.1 58.541,40.835 58.541,28.332 58.275,28.067 v1(58.275,27.975) 58.275,22.394 59.923,20.746 61.431,20.746 61.618,20.56 62.017,20.56 62.877,19.699 69.312,19.699 v1(70.388,18.624)
P3V3: C29.2 C30.2 C31.2 C32.2 C33.2 C35.1 C84.2 C91.1 C94.2 C95.2 C96.2 C97.2 C98.2 C99.1 C144.2 C145.2 C146.2 C147.2 C148.2 D2.2 D3.5 D26.5 D28.1 IC9.17 IC9.30 IC9.39 IC9.52 IC9.62 IC9.72 IC9.84 IC9.95 IC9.108 IC9.121 IC9.131 IC9.143 IC9.144 IC11.9 IC12.3 IC13.3 IC18.5 IC19.8 IC23.1 IC29.8 IC30.1 IC31.8 IC32.1 IC36.1 IC39.8 IC40.1 IC41.8 J21.1 JP2.1 L5.2 L7.2 L8.2 LD1.2 R3.2 R4.2 R5.1 R7.2 R16.2 R20.1 R21.1 R22.1 R33.2 R53.2 R61.2 R62.1 R67.2 R92.2 R94.1 R98.1 R99.1 R101.1 R102.2 R121.2 TP8.1 TP12.1 W1.1 W2.10 | length 572.9
  TOP w0.254: R94.1@64.85,15.236 64.85,13.471 TP8.1@64.875,13.446 64.973,13.348 64.973,12.578 65.345,12.206 93.1,12.206 93.468,11.838 v5(93.468,7.736) 93.468,5.483 94.336,4.616 94.906,4.616 LD1.2@94.968,4.553 ; IC18.5@65.6,95.655 66.075,95.655 66.629,95.101 66.629,92.037 66.877,91.789 v2(66.877,91.669) ; v2(85.706,90.65) IC12.3@85.706,93.108 ; v2(95.636,90.41) 95.691,90.355 96.516,90.355 L7.2@96.571,90.3 ; IC11.9@105.52,93.55 v2(106.627,93.55) C84.2@107.49,93.55 ; R101.1@108.098,69.661 108.098,67.547 110.633,65.011 v2(113.517,65.011) 114.646,65.011 114.707,64.95 114.707,67.581 v2(115.394,68.269) 115.453,68.327 IC9.72@115.453,69.069 118.386,69.069 119.949,70.631 122.828,70.631 ; R67.2@111.793,74.599 111.813,74.599 112.635,73.777 113.497,73.777 113.646,73.926 113.646,74.005 C95.2@113.982,74.341 114.254,74.069 IC9.62@115.453,74.069 122.828,74.069 ; v2(113.088,88.169) C99.1@114.328,88.169 115.363,88.169 ; v2(113.106,92.03) 113.145,91.99 114.153,91.99 L5.2@114.193,91.951 ; C30.2@114.053,78.819 114.303,79.069 IC9.52@115.453,79.069 119.557,79.069 120.557,80.069 122.828,80.069 ; L5.2@114.193,92.03 114.193,91.941 114.559,91.575 114.559,91.536 114.707,91.388 114.707,91.174 115.282,90.599 115.282,90.452 R98.1@115.677,90.057 ; v2(114.203,85.569) IC9.39@115.453,85.569 115.501,85.521 116.221,85.521 117.749,83.993 120.328,83.993 ; R98.1@115.677,90.037 R98.1@115.677,90.057 ; v2(116.35,63.475) 116.365,63.46 R7.2@117.2,63.46 ; C31.2@120.678,90.3 120.495,90.117 120.495,89.667 120.328,89.5 120.328,85.489 ; C96.2@122.611,65.809 122.828,66.026 122.828,70.631 ; C33.2@126.828,89.912 IC9.17@126.828,88.444 126.828,82.777 125.544,81.493 122.828,81.493 ; C33.2@127.035,89.912 127.035,90.603 127.541,91.108 128.65,91.108 128.896,91.354 128.896,92.175 129.786,93.066 129.812,93.066 ; C97.2@128.528,65.819 128.376,65.971 128.376,67.146 IC9.95@128.328,67.194 128.328,75.021 128.376,75.069 ; v2(130.603,92.755) 130.603,92.197 R61.2@130.634,92.034 ; R16.2@130.711,20.129 131.034,20.452 R16.2@131.034,20.502 131.253,20.722 131.253,21.234 v2(131.98,21.962) ; R53.2@133.188,91.175 v2(134.153,91.175) ; v2(133.828,92.925) D3.5@134.875,92.925 134.948,92.998 135.508,92.998 ; v2(136.187,65.95) 136.074,65.95 135.833,65.708 C98.2@135.278,65.708 135.095,65.891 135.095,65.971 134.828,66.238 IC9.108@134.828,67.194 134.828,68.36 133.087,70.1 133.087,75.069 ; R92.2@136.48,93.97 R92.2@136.5,93.97 R92.2@136.52,93.97 ; IC9.121@136.703,75.069 133.087,75.069 ; IC9.144@136.703,86.569 137.253,86.569 137.503,86.819 C94.2@138.053,86.819 138.87,86.819 139.113,87.061 v2(139.113,87.664) ; C32.2@138.278,80.269 138.078,80.069 IC9.131@136.703,80.069 122.828,80.069 ; v2(138.632,65.303) 139.721,65.303 139.864,65.446 L8.2@140.111,65.199 ; v2(138.708,62.255) 138.855,62.255 139.198,61.912 C91.1@140.182,61.912 ; v2(139.362,29.108) 139.5,28.97 D2.2@139.5,25.565 139.5,25.365 140.461,24.404 v2(140.461,23.038) ; v2(140.09,60.402) 140.09,61.82 C91.1@140.182,61.912 ; C147.2@140.262,35.656 IC31.8@141.894,35.656 v2(143.102,35.656) ; C144.2@140.262,41.193 IC29.8@141.894,41.193 v2(143.394,41.193) ; C146.2@140.262,50.968 140.277,50.952 141.878,50.952 IC30.1@141.894,50.937 ; C148.2@140.312,53.025 140.354,52.983 141.851,52.983 IC19.8@141.894,52.941 141.894,52.14 v2(141.878,52.124) ; C145.2@140.345,33.875 v2(143.102,33.875) ; W1.1@141.4,68.92 144.14,68.92 144.556,69.337 ; v2(141.468,65.199) L8.2@140.111,65.199 ; IC30.1@141.894,50.937 v2(143.102,50.936) ; v2(143.102,29.007) 143.223,29.007 143.626,28.604 144.614,28.604 145.158,28.06 R4.2@145.158,28.04 ; R4.2@145.21,28.091 R4.2@145.158,28.04 ; JP2.1@145.631,76.861 146.819,75.674 ; R3.2@146.717,28.04 R4.2@145.158,28.04 ; v2(147.654,67.045) 148.149,67.045 R102.2@148.625,66.569 ; 151.903,69.588 150.584,68.269 148.5,68.269 148.338,68.43 148.338,68.969 R62.1@148.186,69.121 144.772,69.121 144.556,69.337 ; J21.1@155.9,77.5 155.9,76.021 155.751,75.872 154.463,75.872 154.443,75.891 147.036,75.891 146.819,75.674 ; 115.363,88.169 115.77,88.169 118.449,85.489 120.328,85.489 ; 115.363,88.169 115.677,88.482 R98.1@115.677,90.057 ; 120.328,83.993 120.328,85.489 ; 120.328,83.993 122.828,81.493 ; 122.828,70.631 122.828,74.069 ; 122.828,74.069 122.828,80.069 ; 122.828,74.069 124.805,74.069 125.805,75.069 128.376,75.069 ; 122.828,80.069 122.828,81.493 ; 128.376,75.069 133.087,75.069 ; L8.2@140.111,65.199 140.182,65.128 C91.1@140.182,61.912 ; 144.556,69.337 IC13.3@144.556,70.921 144.734,70.921 145.064,71.251 145.064,71.984 146.819,73.738 146.819,75.674
  L2 w0.254: v2(47.85,52.207) 47.942,52.207 48.413,51.736 55.144,51.736 55.244,51.836 59.901,51.836 60.136,51.601 67.137,51.601 67.175,51.563 67.213,51.601 88.97,51.601 90.191,52.823 104.23,52.823 104.297,52.89 v5(105.651,52.89) 105.719,52.823 113.479,52.823 v2(113.547,52.891) ; v2(66.877,91.669) 84.687,91.669 v2(85.706,90.65) 95.275,90.65 95.515,90.41 v2(95.636,90.41) ; v2(108.477,90.669) 108.477,90.768 109.829,92.121 109.904,92.195 110.114,92.195 113.106,92.034 v2(113.106,92.03) ; v2(113.517,65.011) 114.814,65.011 v2(116.35,63.475) ; v2(130.603,92.755) 130.695,92.755 131.166,93.226 131.373,93.226 132.076,93.929 132.823,93.929 v2(133.828,92.925) ; v2(131.98,21.962) 139.384,21.962 v2(140.461,23.038) ; v2(136.187,65.95) 137.963,65.95 138.61,65.303 v2(138.632,65.303) ; v2(139.362,29.108) 139.483,29.108 139.92,28.671 142.646,28.671 142.982,29.007 v2(143.102,29.007) ; v2(141.468,65.199) 144.578,65.199 146.424,67.045 v2(147.654,67.045) 150.153,67.045 151.903,68.796 151.903,70.732 ; v2(141.878,52.124) 141.896,52.124 143.084,50.936 v2(143.102,50.936)
  BOT w0.254: R5.1@46.92,52.3 46.967,52.253 47.803,52.253 v2(47.85,52.207) ; v2(85.706,90.65) 85.706,90.771 85.896,90.961 TP12.1@85.896,91.955 ; R121.2@93.468,8.502 v5(93.468,7.736) 93.468,5.106 D28.1@93.946,4.628 ; D28.1@94.121,4.259 94.244,4.136 94.244,3.911 95.35,2.804 104.047,2.804 105.3,4.057 105.3,52.538 v5(105.651,52.89) ; v2(106.627,93.55) 107.534,93.55 ; R99.1@107.218,97.045 107.218,97.025 107.893,96.35 107.893,96.034 108.385,95.542 R22.1@108.385,95.522 108.385,95.502 107.862,94.98 107.862,93.879 107.534,93.55 ; v2(108.477,90.669) 108.392,90.754 108.392,91.078 108.066,91.404 108.066,91.424 R21.1@107.915,91.575 107.915,93.169 107.534,93.55 ; v2(113.517,65.011) 113.517,63.456 113.211,63.15 113.211,61.931 113.547,61.595 v2(113.547,52.891) ; v2(133.828,92.925) 133.828,91.621 134.153,91.296 v2(134.153,91.175) ; W2.10@138.66,95.756 138.66,93.288 139.113,92.835 v2(139.113,87.664) ; v2(141.468,65.199) 142.695,63.973 142.695,59.223 143.102,58.815 v2(143.102,50.936) ; v2(141.878,52.124) 141.878,52.925 IC23.1@141.894,52.941 ; IC40.1@141.894,35.656 v2(143.102,35.656) 143.102,35.777 143.394,36.068 v2(143.394,39.408) v2(143.394,41.193) ; IC36.1@141.894,41.193 v2(143.394,41.193) ; IC39.8@141.894,50.936 v2(143.102,50.936) ; IC41.8@141.925,33.83 143.057,33.83 v2(143.102,33.875) ; v2(143.102,29.007) v2(143.102,33.875) ; v2@143.102,35.64 v2(143.102,33.875) ; JP2.1@145.631,76.861 146.566,77.796 R33.2@148.261,77.796 148.261,78.676 148.883,79.297 C29.2@150.843,79.297 ; v2(143.102,50.936) 143.675,50.364 143.675,42.673 143.394,42.392 v2(143.394,41.193)
  other v2: 151.609,71.025
P3V3_MP: C1.2 C2.2 D2.1 D27.5 IC1.8 IC2.4 J12.30 R10.1 TP3.1 | length 185.8
  TOP w0.127: v1(139.216,24.435) 139.216,24.38 139.5,24.096 D2.1@139.5,22.965 139.5,22.765 139.873,22.392 C2.2@141.143,22.392 141.403,22.652 IC2.4@142.519,22.652 v1(142.519,21.902) ; v1(147.294,19.559) 147.337,19.603 D27.5@147.337,20.502
  TOP w0.254: TP3.1@62.53,13.446 62.579,13.495 R10.1@62.579,15.236 63.345,15.236 63.544,15.436 v1(63.544,20.444)
  L2 w0.127: v1(41.161,54.707) 47.106,54.707 48.633,56.234 v1(63.544,56.234) ; v1(104.7,14.347) v1(110.619,14.347) ; v1(111.098,23.243) 112.594,24.74 138.911,24.74 v1(139.216,24.435) ; v1(142.754,19.721) 147.031,19.721 147.193,19.559 v1(147.294,19.559) 147.605,19.248 154.664,19.248 J12.30@155.654,20.238
  BOT w0.127: C1.2@37.953,53.775 38.128,53.6 IC1.8@39.85,53.6 40.915,53.6 41.116,53.801 41.116,54.662 v1(41.161,54.707) ; v1(63.544,56.234) 63.544,45.226 64.745,44.026 64.745,40.788 63.109,39.153 63.109,29.485 64.054,28.54 64.054,27.179 64.999,26.234 64.999,22.927 63.544,21.473 v1(63.544,20.444) 64.035,19.953 70.132,19.953 71.216,18.87 71.216,18.056 74.45,14.821 74.484,14.821 74.599,14.707 74.764,14.707 75.293,14.178 83.372,14.178 85.287,12.263 95.972,12.263 98.056,14.347 v1(104.7,14.347) ; v1(110.619,14.347) 110.619,21.663 111.098,22.142 v1(111.098,23.243) ; v1(142.519,21.902) 142.519,19.982 142.754,19.746 v1(142.754,19.721)
P3V3DVDD_1: C43_1.1 C44_1.1 IC7_1.16 R38_1.1 | length 6.7
  TOP w0.254: R38_1.1@92.895,29.699 92.924,29.699 92.973,29.651 92.973,28.312 C44_1.1@93.003,28.282 93.003,28.107 92.353,27.457 C43_1.1@92.353,25.539 92.895,24.997 92.895,24.993 93.09,24.798 IC7_1.16@94.221,24.798
P3V3DVDD_2: C43_2.1 C44_2.1 IC7_2.16 R38_2.1 | length 6.7
  TOP w0.254: R38_2.1@92.895,48.199 92.924,48.199 92.973,48.151 92.973,46.812 C44_2.1@93.003,46.782 93.003,46.607 92.353,45.957 C43_2.1@92.353,44.039 92.895,43.497 92.895,43.493 93.09,43.298 IC7_2.16@94.221,43.298
P3V3DVDD_3: C43_3.1 C44_3.1 IC7_3.16 R38_3.1 | length 6.7
  TOP w0.254: R38_3.1@92.895,66.699 92.924,66.699 92.973,66.651 92.973,65.312 C44_3.1@93.003,65.282 93.003,65.107 92.353,64.457 C43_3.1@92.353,62.539 92.895,61.997 92.895,61.993 93.09,61.798 IC7_3.16@94.221,61.798
P3V3DVDD_4: C43_4.1 C44_4.1 IC7_4.16 R38_4.1 | length 6.7
  TOP w0.254: R38_4.1@92.895,85.199 92.924,85.199 92.973,85.151 92.973,83.812 C44_4.1@93.003,83.782 93.003,83.607 92.353,82.957 C43_4.1@92.353,81.039 92.895,80.497 92.895,80.493 93.09,80.298 IC7_4.16@94.221,80.298
P3V3IO: C115.2 IC12.5 R38_1.2 R38_2.2 R38_3.2 R38_4.2 | length 65.9
  TOP w0.127: IC12.5@88.306,95.008 89.902,95.008 C115.2@90.052,94.858
  TOP w0.254: C115.2@90.052,94.858 90.311,95.117 90.959,95.117 v1(90.96,95.116) ; v1(90.96,29.834) R38_1.2@92.033,29.834 ; v1(90.96,48.334) R38_2.2@92.033,48.334 ; v1(90.96,66.834) R38_3.2@92.033,66.834 ; v1(90.96,85.334) R38_4.2@92.033,85.334
  BOT w0.254: v1(90.96,29.834) 91.82,30.694 91.82,43.79 92.048,44.018 92.048,47.245 v1(90.96,48.334) 90.96,51.472 90.588,51.843 90.588,58.941 92.048,60.401 92.048,65.745 v1(90.96,66.834) 90.96,69.972 90.588,70.343 90.588,77.551 92.048,79.011 92.048,84.245 v1(90.96,85.334)